# Allegro board DPU_PoE_A1_Sep27.brd (continued)
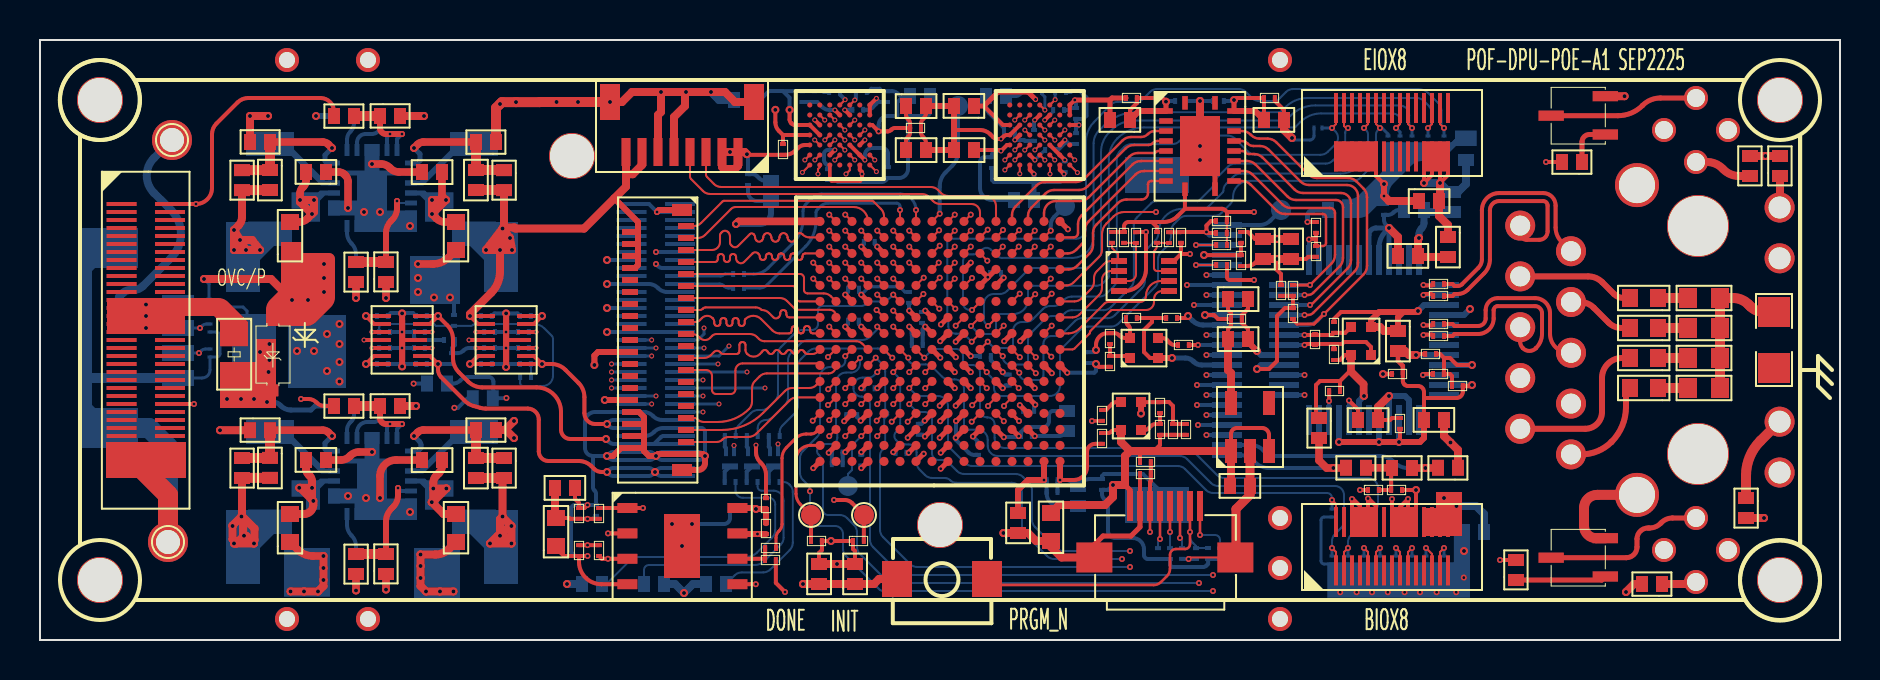
[diagram p0: board, top side]
## Routing (per net, layer and track width the routed paths; a pad name or vN(x,y) marks a point on that pad's centre or on a via; arc(x,y) is an arc through that point) (continued)
  BOTTOM w0.102: v1(54.1,4.05) 50.71,4.05 arc(50.52,4.09) 50.35,4.2 49.25,5.3 arc(49.14,5.47) 49.1,5.66 49.1,7.35 arc(48.95,7.71) 48.59,7.86 45.8,7.86 arc(45.65,7.89) 45.53,7.97 45.51,7.99 arc(45.39,8.07) 45.24,8.1 44.61,8.1 arc(44.42,8.14) 44.25,8.25 43.98,8.52 arc(43.87,8.69) 43.83,8.88 43.83,9.39 arc(43.71,9.66) 43.44,9.78 43.23,9.78 arc(43.04,9.82) 42.87,9.93 42.8,10 arc(42.72,10.2) 42.8,10.4 42.86,10.46 arc(42.97,10.63) 43.01,10.82 43.01,12.84 arc(42.97,13.03) 42.86,13.19 v1(42.66,13.39)
  BOTTOM w0.15: D15.2 v1(69.3,4.6)
BIO-4: length 51.1
  TOP w0.102: J4.17 68,4.4 v1(67.8,4.6) ; v1(41.86,13.39) U7.G12
  SIG-6 w0.102: v1(58.65,3.25) 58.84,3.25 arc(58.99,3.28) 59.12,3.37 59.65,3.9 arc(59.76,4.07) 59.8,4.26 59.8,7.84 arc(59.84,8.03) 59.95,8.2 60.25,8.5 arc(60.42,8.61) 60.61,8.65 63.24,8.65 arc(63.43,8.69) 63.6,8.8 63.75,8.95 arc(63.92,9.06) 64.11,9.1 65.7,9.1 arc(65.88,9.06) 66.04,8.96 66.06,8.94 arc(66.22,8.84) 66.4,8.8 68.09,8.8 arc(68.28,8.84) 68.45,8.95 68.77,9.27 arc(69.12,9.41) 69.48,9.27 69.77,8.98 arc(69.91,8.62) 69.77,8.27 69.45,7.95 arc(69.34,7.78) 69.3,7.59 69.3,7.01 arc(69.26,6.82) 69.15,6.65 67.95,5.45 arc(67.84,5.28) 67.8,5.09 v1(67.8,4.6)
  BOTTOM w0.102: v1(58.65,3.25) 43.26,3.25 arc(43.07,3.29) 42.9,3.4 41.65,4.65 arc(41.54,4.82) 41.5,5.01 41.5,11.77 arc(41.38,12.05) 41.1,12.17 41.08,12.17 arc(40.79,12.29) 40.67,12.57 40.67,12.67 arc(40.8,12.99) 41.12,13.12 41.4,13.12 arc(41.57,13.15) 41.72,13.25 v1(41.86,13.39)
  BOTTOM w0.15: D13.2 v1(67.8,4.6)
BIO-5: length 50.6
  TOP w0.102: v1(68.6,4.6) 68.4,4.4 J4.19 ; U7.G13 v1(41.78,14.12)
  SIG-6 w0.102: v1(68.6,4.6) 68.6,5.29 arc(68.64,5.48) 68.75,5.65 69.55,6.45 arc(69.66,6.62) 69.7,6.81 69.7,7.44 arc(69.74,7.63) 69.85,7.8 70.15,8.1 arc(70.26,8.27) 70.3,8.46 70.3,8.79 arc(70.26,8.98) 70.15,9.15 69.8,9.5 arc(69.56,9.66) 69.27,9.72 68.93,9.72 arc(68.64,9.66) 68.4,9.5 68.2,9.3 arc(68.03,9.19) 67.84,9.15 66.5,9.15 arc(66.32,9.19) 66.16,9.29 66.14,9.31 arc(65.98,9.41) 65.8,9.45 65.14,9.45 65.14,9.45 64.76,9.45 64.76,9.45 60.81,9.45 arc(60.62,9.41) 60.45,9.3 59.55,8.4 arc(59.44,8.23) 59.4,8.04 59.4,4.71 arc(59.36,4.52) 59.25,4.35 58.99,4.09 arc(58.93,4.04) 58.87,4 58.41,3.76 arc(58.35,3.72) 58.29,3.67 58.02,3.4 arc(57.85,3.29) 57.66,3.25 55.11,3.25 arc(54.92,3.29) 54.75,3.4 v1(54.5,3.65)
  BOTTOM w0.102: v1(41.78,14.12) 42.11,13.79 arc(42.22,13.62) 42.26,13.43 42.26,11.53 42.27,11.53 42.41,11.39 42.41,11.25 42.21,11.05 42.21,10.47 42.26,10.42 42.26,9.82 arc(42.23,9.66) 42.14,9.53 42.12,9.51 arc(42.03,9.38) 42,9.22 42,5.51 arc(42.04,5.32) 42.15,5.15 43.5,3.8 arc(43.67,3.69) 43.86,3.65 53.93,3.65 v1(54.5,3.65)
  BOTTOM w0.15: D14.2 v1(68.6,4.6)
BIO-6: length 49.2
  TOP w0.102: v1(41,14.1) 40.63,13.73 U7.G14 ; v1(67,4.6) 66.8,4.4 J4.11
  SIG-6 w0.102: v1(57.95,2.85) 59.29,2.85 arc(59.35,2.86) 59.39,2.89 60.16,3.66 arc(60.19,3.7) 60.2,3.76 60.2,7.54 arc(60.24,7.73) 60.35,7.9 60.55,8.1 arc(60.72,8.21) 60.91,8.25 63.15,8.25 arc(63.24,8.23) 63.32,8.18 63.33,8.17 arc(63.41,8.12) 63.5,8.1 66.49,8.1 arc(66.85,7.95) 67,7.59 v1(67,4.6)
  BOTTOM w0.102: v1(41,14.1) 41,13.82 arc(40.87,13.5) 40.55,13.37 40.31,13.37 arc(39.95,13.22) 39.8,12.86 39.8,10.5 39.86,10.44 39.86,10.11 arc(39.77,9.89) 39.55,9.8 39.31,9.8 arc(39.12,9.76) 38.95,9.65 38.92,9.62 arc(38.85,9.45) 38.92,9.28 38.95,9.25 arc(39.1,9.03) 39.15,8.77 39.15,6.5 arc(39.22,6.32) 39.4,6.25 39.99,6.25 arc(40.18,6.21) 40.35,6.1 40.7,5.75 arc(40.81,5.58) 40.85,5.39 40.85,4.66 arc(40.89,4.47) 41,4.3 42.3,3 arc(42.47,2.89) 42.66,2.85 v1(57.95,2.85)
  BOTTOM w0.15: D12.2 v1(67,4.6)
BIO-7: length 78.5
  TOP w0.102: v1(40.26,14.19) U7.H14 ; v1(66.2,4.6) 66.4,4.4 J4.9
  SIG-6 w0.102: v1(66.2,4.6) 66.2,5.29 arc(66.16,5.48) 66.05,5.65 65.2,6.5 arc(65.09,6.67) 65.05,6.86 65.05,7.24 arc(64.9,7.6) 64.54,7.75 61.01,7.75 arc(60.82,7.71) 60.65,7.6 60.64,7.59 arc(60.61,7.55) 60.6,7.49 60.6,3.56 arc(60.56,3.37) 60.45,3.2 59.85,2.6 arc(59.68,2.49) 59.49,2.45 v1(58.65,2.45)
  SIG-6 w0.16: v1(23.32,12.1) 23.33,12.09 24.17,12.09 arc(24.4,11.99) 24.5,11.76 24.5,4.65 arc(24.61,4.4) 24.86,4.29 25.66,4.29 arc(25.96,4.23) 26.22,4.06 27.09,3.19 arc(27.35,3.02) 27.65,2.96 33.4,2.96 arc(33.7,3.02) 33.96,3.19 35,4.23 arc(35.26,4.4) 35.56,4.46 37.25,4.46 arc(37.55,4.52) 37.81,4.69 38.27,5.15 arc(38.44,5.41) 38.5,5.71 v1(38.5,7.44)
  BOTTOM w0.102: v1(58.65,2.45) 42.16,2.45 arc(42.06,2.47) 41.97,2.53 40.3,4.2 arc(40.19,4.37) 40.15,4.56 40.15,5.3 arc(40.03,5.58) 39.75,5.7 38.85,5.7 arc(38.6,5.8) 38.5,6.05 v1(38.5,7.44) arc(38.46,7.63) 38.35,7.8 38.15,8 arc(38.04,8.17) 38,8.36 38,9.09 arc(38.04,9.28) 38.15,9.45 38.85,10.15 arc(38.96,10.32) 39,10.51 39,13.14 arc(39.15,13.5) 39.51,13.65 39.95,13.65 arc(40.17,13.74) 40.26,13.96 v1(40.26,14.19)
  BOTTOM w0.15: D11.2 v1(66.2,4.6)
  BOTTOM w0.2: v1(23.32,12.1) 23.31,12.09 R92.2 22.67,12.12 22.67,12.91 arc(22.6,13.08) 22.43,13.15 21.4,13.15 arc(21.21,13.11) 21.04,13 21.01,12.97 arc(20.84,12.86) 20.65,12.82 R91.2
BIO-8: length 33.5
  TOP w0.102: v1(65.4,4.6) 65.2,4.4 J4.3 ; U7.H10 v1(44.22,14.12)
  BOTTOM w0.102: v1(44.22,14.12) 44.5,14.4 arc(44.67,14.51) 44.86,14.55 45.81,14.55 arc(46.05,14.45) 46.15,14.21 46.15,13.91 arc(46.16,13.85) 46.19,13.81 46.21,13.79 arc(46.25,13.76) 46.31,13.75 46.64,13.75 arc(46.89,13.64) 47,13.39 47,11.49 arc(47.1,11.24) 47.36,11.13 47.38,11.13 arc(47.63,11.03) 47.73,10.78 47.73,10.11 arc(47.88,9.75) 48.24,9.6 57.29,9.6 arc(57.48,9.56) 57.65,9.45 58.85,8.25 arc(59.02,8.14) 59.21,8.1 66.4,8.1 arc(66.75,7.95) 66.9,7.6 66.9,6.81 arc(66.86,6.62) 66.75,6.45 65.55,5.25 arc(65.44,5.08) 65.4,4.89 v1(65.4,4.6)
  BOTTOM w0.15: D8.2 v1(65.4,4.6)
BIO-9: length 31.2
  TOP w0.102: v1(64.6,4.6) 64.8,4.4 J4.1 ; v1(43.41,14.12) U7.H11
  BOTTOM w0.102: v1(43.41,14.12) 43.41,14.04 arc(43.43,13.98) 43.46,13.94 43.52,13.87 arc(43.62,13.8) 43.74,13.78 44.28,13.78 arc(44.47,13.74) 44.64,13.63 45.09,13.18 arc(45.26,13.07) 45.45,13.03 45.73,13.03 arc(46.06,12.89) 46.2,12.56 46.2,10.72 arc(46.26,10.58) 46.41,10.52 46.88,10.52 arc(47.24,10.37) 47.39,10.01 47.39,9.71 arc(47.54,9.35) 47.9,9.2 56.99,9.2 arc(57.18,9.16) 57.35,9.05 58.55,7.85 arc(58.72,7.74) 58.91,7.7 64.75,7.7 arc(65.07,7.57) 65.2,7.25 65.2,5.96 arc(65.16,5.77) 65.05,5.6 64.75,5.3 arc(64.64,5.13) 64.6,4.94 v1(64.6,4.6)
  BOTTOM w0.15: D9.2 v1(64.6,4.6)
C13: length 3.2
  TOP w0.102: v1(41.06,10.19) U7.C13
  BOTTOM w0.102: TP8.1 40.4,8.3 40.6,8.5 40.6,9.73 v1(41.06,10.19)
DONE: length 5.9
  TOP w0.15: U7.B16 38.53,9.73 arc(38.01,9.52) 37.8,9 37.8,7.31 arc(37.86,7.02) 38.02,6.78 TP4.1
  TOP w0.2: R53.1 TP4.1
DVP_D0: length 17.7
  TOP w0.102: U7.E4 48.2,11.73 v1(48.2,11.7)
  SIG-6 w0.102: v1(48.2,11.7) 47.9,11.4 arc(47.79,11.23) 47.75,11.04 47.75,9.5 arc(47.78,9.43) 47.85,9.4 50.43,9.4 arc(50.6,9.37) 50.75,9.27 arc(50.89,9.21) 51.04,9.27 51.17,9.4 arc(51.3,9.45) 51.43,9.4 51.49,9.34 arc(51.71,9.25) 51.92,9.34 51.99,9.4 arc(52.11,9.45) 52.24,9.4 52.31,9.33 arc(52.52,9.24) 52.73,9.33 52.8,9.4 arc(52.93,9.45) 53.05,9.4 53.11,9.34 arc(53.33,9.25) 53.55,9.34 53.61,9.4 arc(53.74,9.45) 53.87,9.4 54.02,9.25 arc(54.15,9.2) 54.27,9.25 54.42,9.4 arc(54.55,9.45) 54.68,9.4 54.83,9.25 arc(54.96,9.2) 55.09,9.25 55.1,9.27 arc(55.25,9.37) 55.42,9.4 56.3,9.4 arc(56.58,9.52) 56.7,9.8 56.7,10.55 arc(56.66,10.74) 56.56,10.9 arc(56.49,11.05) 56.56,11.21 56.61,11.27 arc(56.68,11.37) 56.7,11.49 56.7,11.65 arc(56.73,11.72) 56.8,11.75 v1(57.85,11.75)
  BOTTOM w0.2: J6.19 v1(57.85,11.75)
DVP_D1: length 17.7
  TOP w0.102: v1(46.61,11.74) U7.E6
  SIG-6 w0.102: v1(57.9,10.75) 57.74,10.59 arc(57.64,10.43) 57.6,10.25 57.6,9.66 arc(57.56,9.47) 57.45,9.3 56.95,8.8 arc(56.78,8.69) 56.59,8.65 47.13,8.65 arc(46.82,8.77) 46.7,9.08 46.7,9.35 arc(46.74,9.53) 46.84,9.69 46.86,9.71 arc(46.96,9.87) 47,10.05 47,11.14 arc(46.96,11.33) 46.85,11.5 v1(46.61,11.74)
  BOTTOM w0.2: J6.21 v1(57.9,10.75)
DVP_D2: length 17.5
  TOP w0.102: v1(46.59,10.91) U7.D6
  SIG-6 w0.102: v1(58.32,10.25) 58.18,10.11 arc(58.08,9.96) 58.05,9.79 58.05,9.31 arc(58.01,9.12) 57.9,8.95 57.45,8.5 arc(57.28,8.39) 57.09,8.35 46.7,8.35 arc(46.35,8.5) 46.2,8.85 46.2,10.32 arc(46.24,10.51) 46.35,10.68 v1(46.59,10.91)
  BOTTOM w0.2: J6.22 v1(58.32,10.25)
DVP_D3: length 17.6
  TOP w0.102: U7.E5 47.4,11.73 v1(47.4,11.7)
  SIG-6 w0.102: v1(47.4,11.7) 47.4,9.91 arc(47.36,9.72) 47.25,9.55 47.15,9.45 arc(47.09,9.3) 47.15,9.15 47.17,9.13 arc(47.26,9.07) 47.36,9.05 47.39,9.05 arc(47.49,9.03) 47.58,8.97 arc(47.75,8.9) 47.92,8.97 47.96,9.01 arc(48.18,9.1) 48.4,9.01 48.45,8.95 arc(48.58,8.9) 48.72,8.95 48.77,9.01 arc(48.99,9.1) 49.21,9.01 49.27,8.95 arc(49.4,8.9) 49.52,8.95 49.61,9.04 arc(49.8,9.12) 49.99,9.04 50.08,8.95 56.24,8.95 arc(56.43,8.99) 56.6,9.1 57,9.5 arc(57.11,9.67) 57.15,9.86 57.15,11 arc(57.22,11.18) 57.4,11.25 v1(58.32,11.25)
  BOTTOM w0.2: J6.20 v1(58.32,11.25)
DVP_D4: length 17.4
  TOP w0.102: v1(48.19,10.94) U7.D5
  SIG-6 w0.102: v1(58.32,12.25) 57.86,12.25 57.71,12.4 57.09,12.4 56.94,12.25 56.44,12.25 arc(56.2,12.15) 56.1,11.91 56.1,11.79 arc(56.09,11.75) 56.07,11.72 55.95,11.6 arc(55.91,11.5) 55.95,11.4 56.06,11.29 arc(56.15,11.07) 56.06,10.86 55.8,10.6 arc(55.77,10.53) 55.8,10.46 56.1,10.16 arc(55.98,9.87) 55.69,9.75 53.39,9.75 arc(53.18,9.83) 53.1,10.04 53.1,10.06 arc(53.02,10.27) 52.81,10.35 52.75,10.35 arc(52.57,10.28) 52.5,10.1 52.5,9.91 arc(52.49,9.85) 52.46,9.81 52.44,9.79 arc(52.4,9.76) 52.34,9.75 52.14,9.75 arc(51.97,9.82) 51.9,9.99 51.9,10.04 arc(51.82,10.22) 51.64,10.3 51.56,10.3 arc(51.38,10.22) 51.3,10.04 51.3,9.96 arc(51.24,9.81) 51.09,9.75 51.06,9.75 arc(50.91,9.81) 50.85,9.96 50.85,10.04 arc(50.77,10.22) 50.59,10.3 50.54,10.3 arc(50.33,10.22) 50.25,10.01 50.25,9.99 arc(50.17,9.78) 49.96,9.7 48.98,9.7 arc(48.68,9.83) 48.55,10.13 48.55,10.37 arc(48.51,10.56) 48.4,10.73 v1(48.19,10.94)
  BOTTOM w0.2: J6.18 v1(58.32,12.25)
DVP_D5: length 17.7
  TOP w0.102: U7.F6 v1(47.34,12.59)
  SIG-6 w0.102: v1(47.34,12.59) 47.35,12.58 47.35,12.25 arc(47.32,12.18) 47.25,12.15 46.2,12.15 arc(46.13,12.18) 46.1,12.25 46.1,13.63 arc(46.15,13.75) 46.27,13.8 46.65,13.8 arc(46.83,13.73) 46.9,13.55 46.9,13.1 arc(46.94,12.99) 47.05,12.95 52.17,12.95 arc(52.23,12.96) 52.27,12.99 arc(52.34,13.04) 52.41,13.05 56.97,13.05 arc(57.09,13.07) 57.19,13.14 57.21,13.16 arc(57.31,13.23) 57.43,13.25 v1(58.32,13.25)
  BOTTOM w0.2: J6.16 v1(58.32,13.25)
DVP_D6: length 17.7
  TOP w0.102: v1(49.79,13.34) U7.G3
  SIG-6 w0.102: v1(49.79,13.34) 50.05,13.6 arc(50.22,13.71) 50.41,13.75 51.84,13.75 arc(52.03,13.71) 52.2,13.6 52.3,13.5 arc(52.47,13.39) 52.66,13.35 56.54,13.35 arc(56.73,13.39) 56.9,13.5 57,13.6 arc(57.17,13.71) 57.36,13.75 58.84,13.75 arc(58.9,13.74) 58.94,13.71 58.96,13.69 arc(58.99,13.65) 59,13.59 59,12.05 arc(59.03,11.98) 59.1,11.95 59.85,11.95 arc(59.92,11.98) 59.95,12.05 59.95,14.15 arc(59.92,14.22) 59.85,14.25 v1(58.32,14.25)
  BOTTOM w0.2: J6.14 v1(58.32,14.25)
DVP_D7: length 17.4
  TOP w0.102: v1(50.56,14.16) U7.H2
  SIG-6 w0.102: v1(58.32,15.25) 57.81,15.25 arc(57.62,15.29) 57.45,15.4 57.3,15.55 arc(57.11,15.68) 56.88,15.72 56.64,15.72 arc(56.55,15.76) 56.51,15.85 arc(56.5,15.9) 56.47,15.94 56.45,15.96 arc(56.41,15.99) 56.36,16 56.34,16 arc(56.29,15.99) 56.25,15.96 56.24,15.95 arc(56.21,15.91) 56.2,15.86 56.2,15.84 arc(56.19,15.79) 56.16,15.75 arc(56.13,15.73) 56.09,15.72 55.86,15.72 arc(55.76,15.74) 55.67,15.8 55.57,15.9 arc(55.39,15.98) 55.2,15.9 55.05,15.75 arc(55.02,15.73) 54.98,15.72 54.8,15.72 arc(54.72,15.76) 54.68,15.85 arc(54.67,15.9) 54.64,15.95 arc(54.61,15.97) 54.57,15.98 54.48,15.98 arc(54.44,15.97) 54.41,15.95 arc(54.38,15.91) 54.37,15.86 54.37,15.84 arc(54.36,15.79) 54.34,15.75 arc(54.3,15.73) 54.26,15.72 54.17,15.72 arc(54.1,15.75) 54.07,15.83 54.07,15.85 arc(54.06,15.9) 54.03,15.95 54.01,15.96 arc(53.97,15.99) 53.92,16 53.9,16 arc(53.85,15.99) 53.81,15.96 53.8,15.95 arc(53.77,15.91) 53.76,15.86 53.76,15.84 arc(53.75,15.79) 53.73,15.75 53.71,15.74 arc(53.67,15.71) 53.62,15.7 53.2,15.7 arc(53.15,15.69) 53.11,15.66 53.1,15.65 arc(53.07,15.61) 53.06,15.56 53.06,15.34 arc(53.05,15.29) 53.02,15.25 52.99,15.22 arc(52.89,15.17) 52.79,15.22 arc(52.72,15.31) 52.7,15.42 52.7,15.51 arc(52.64,15.64) 52.51,15.7 51.99,15.7 arc(51.91,15.68) 51.84,15.64 51.83,15.63 arc(51.78,15.51) 51.83,15.4 51.83,15.4 arc(51.94,15.33) 52.07,15.3 52.1,15.3 arc(52.21,15.26) 52.25,15.15 52.25,14.29 arc(52.19,14.16) 52.06,14.1 52.04,14.1 arc(51.91,14.16) 51.85,14.29 51.85,14.59 arc(51.71,14.91) 51.39,15.05 49.76,15.05 arc(49.66,15.03) 49.58,14.98 49.56,14.96 arc(49.53,14.89) 49.56,14.81 49.59,14.79 arc(49.68,14.72) 49.8,14.7 50.64,14.7 arc(50.82,14.62) 50.9,14.44 50.9,14.32 arc(50.85,14.21) 50.74,14.16 v1(50.56,14.16)
  BOTTOM w0.2: v1(58.32,15.25) J6.12
DVP_HSYNC: length 17.7
  TOP w0.102: v1(49.79,14.14) U7.H3
  SIG-6 w0.102: v1(49.79,14.14) 49.84,14.09 49.84,13.95 arc(49.8,13.84) 49.69,13.8 49.58,13.8 arc(49.42,13.87) 49.35,14.03 49.35,14.16 arc(49.25,14.4) 49.01,14.5 48.96,14.5 arc(48.71,14.61) 48.6,14.86 48.6,14.94 arc(48.72,15.23) 49.01,15.35 49.39,15.35 arc(49.58,15.39) 49.75,15.5 49.77,15.52 arc(49.83,15.68) 49.77,15.83 49.63,15.97 arc(49.58,16.1) 49.63,16.23 49.65,16.25 arc(49.79,16.34) 49.96,16.38 50,16.38 arc(50.14,16.32) 50.2,16.18 50.2,15.71 arc(50.31,15.46) 50.56,15.35 50.61,15.35 arc(50.85,15.45) 50.95,15.69 50.95,15.71 arc(51.05,15.95) 51.29,16.05 52.92,16.05 arc(53.01,16.09) 53.05,16.18 53.05,16.57 arc(53.08,16.64) 53.15,16.67 53.38,16.67 53.45,16.6 53.45,16.41 arc(53.46,16.35) 53.49,16.31 53.51,16.29 arc(53.55,16.26) 53.61,16.25 53.64,16.25 arc(53.7,16.26) 53.75,16.3 53.79,16.34 arc(53.83,16.41) 53.85,16.49 53.85,16.6 arc(53.88,16.67) 53.95,16.7 54.06,16.7 arc(54.24,16.67) 54.38,16.57 54.52,16.43 arc(54.77,16.32) 55.03,16.43 55.14,16.54 arc(55.38,16.64) 55.61,16.54 55.7,16.45 arc(55.85,16.39) 56,16.45 56.07,16.52 arc(56.27,16.6) 56.48,16.52 56.49,16.51 arc(56.7,16.42) 56.91,16.51 57,16.6 arc(57.17,16.71) 57.36,16.75 v1(57.7,16.75)
  BOTTOM w0.2: J6.9 v1(57.7,16.75)
DVP_MCLK: length 1.9
  TOP w0.2: R30.2 v1(57.9,14.75)
  BOTTOM w0.2: v1(57.9,14.75) J6.13
DVP_PCLK: length 17.4
  TOP w0.102: v1(48.94,12.59) U7.F4
  SIG-6 w0.102: v1(57.85,12.75) 53.2,12.75 arc(53.13,12.72) 53.1,12.65 53.1,12.1 arc(53.07,12.03) 53,12 52.8,12 arc(52.69,12.04) 52.65,12.15 52.65,12.55 arc(52.62,12.62) 52.55,12.65 52.25,12.65 arc(52.14,12.61) 52.1,12.5 52.1,11.75 52.02,11.65 51.78,11.65 51.68,11.77 51.68,12.46 arc(51.67,12.51) 51.64,12.55 51.63,12.56 arc(51.59,12.59) 51.54,12.6 51.52,12.6 arc(51.47,12.59) 51.43,12.56 51.41,12.55 arc(51.38,12.51) 51.37,12.46 51.37,11.84 arc(51.36,11.79) 51.34,11.75 51.32,11.74 arc(51.28,11.71) 51.23,11.7 51.21,11.7 arc(51.16,11.71) 51.12,11.74 51.11,11.75 arc(51.08,11.79) 51.07,11.84 51.07,12.46 arc(51.06,12.51) 51.03,12.55 51.02,12.56 arc(50.98,12.59) 50.93,12.6 50.91,12.6 arc(50.86,12.59) 50.82,12.56 50.8,12.55 arc(50.77,12.51) 50.76,12.46 50.76,11.84 arc(50.75,11.79) 50.73,11.75 50.71,11.74 arc(50.67,11.71) 50.62,11.7 50.6,11.7 arc(50.55,11.71) 50.51,11.74 50.5,11.75 arc(50.47,11.79) 50.46,11.84 50.46,12.46 arc(50.45,12.51) 50.42,12.55 50.41,12.56 arc(50.37,12.59) 50.32,12.6 50.3,12.6 arc(50.25,12.59) 50.21,12.56 50.19,12.55 arc(50.16,12.51) 50.16,12.46 50.16,12.29 arc(50.15,12.24) 50.12,12.2 50.1,12.19 arc(50.06,12.16) 50.01,12.15 49.61,12.15 arc(49.42,12.19) 49.25,12.3 48.96,12.59 v1(48.94,12.59)
  BOTTOM w0.2: J6.17 v1(57.85,12.75)
DVP_PWDN: length 10.2
  TOP w0.102: v1(50.59,15.71) U7.J2
  SIG-6 w0.102: v1(50.59,15.71) 50.59,16.23 arc(50.63,16.33) 50.73,16.38 52.11,16.38 arc(52.31,16.41) 52.47,16.52 52.8,16.85 arc(52.97,16.96) 53.16,17 56.58,17 arc(56.74,17.03) 56.87,17.12 56.88,17.13 arc(57.01,17.22) 57.17,17.25 v1(58.32,17.25)
  BOTTOM w0.2: J6.8 v1(58.32,17.25)
DVP_RST: length 13.1
  TOP w0.102: U7.J5 v1(48.19,15.71)
  SIG-6 w0.102: v1(58.32,18.25) 57.36,18.25 arc(57.17,18.29) 57,18.4 56.95,18.45 arc(56.78,18.56) 56.59,18.6 54.21,18.6 arc(54.02,18.56) 53.85,18.45 53.15,17.75 arc(52.98,17.64) 52.79,17.6 52.61,17.6 arc(52.42,17.56) 52.25,17.45 51.9,17.1 arc(51.73,16.99) 51.54,16.95 49.21,16.95 arc(49.02,16.91) 48.85,16.8 48.33,16.28 arc(48.22,16.12) 48.19,15.94 v1(48.19,15.71)
  BOTTOM w0.2: J6.6 v1(58.32,18.25)
DVP_SCL: length 11.8
  TOP w0.102: R17.2 v1(57.8,18.75) ; v1(49.76,17.29) U7.L3
  SIG-6 w0.102: v1(57.8,18.75) 57.61,18.75 arc(57.46,18.78) 57.33,18.87 57.3,18.9 arc(57.16,19) 56.98,19.03 53.86,19.03 arc(53.67,18.99) 53.5,18.88 52.85,18.23 arc(52.78,18.18) 52.69,18.16 52.67,18.16 arc(52.58,18.15) 52.51,18.1 52.26,17.85 arc(52.09,17.74) 51.9,17.7 50.38,17.7 arc(50.19,17.66) 50.02,17.55 v1(49.76,17.29)
  BOTTOM w0.2: J6.5 v1(57.8,18.75)
DVP_SDA: length 10.9
  TOP w0.102: R16.2 v1(57.8,19.75) ; v1(50.54,18.07) U7.M2
  SIG-6 w0.102: v1(57.8,19.75) 57.78,19.73 56.93,19.73 arc(56.75,19.7) 56.61,19.6 56.59,19.58 arc(56.45,19.48) 56.27,19.45 53.47,19.45 arc(53.28,19.41) 53.11,19.3 52.12,18.31 arc(51.95,18.2) 51.76,18.16 50.69,18.16 arc(50.63,18.15) 50.59,18.12 v1(50.54,18.07)
  BOTTOM w0.2: J6.3 v1(57.8,19.75)
DVP_VSYNC: length 17.5
  TOP w0.102: v1(48.99,14.14) U7.H4
  SIG-6 w0.102: v1(48.99,14.14) 48.99,13.9 arc(48.96,13.83) 48.89,13.8 48,13.8 arc(47.82,13.87) 47.75,14.05 47.75,15.1 arc(47.81,15.24) 47.95,15.3 48.16,15.3 arc(48.34,15.33) 48.48,15.43 48.54,15.49 arc(48.69,15.59) 48.88,15.63 48.9,15.63 arc(49.04,15.69) 49.1,15.83 49.1,16.28 arc(49.22,16.58) 49.52,16.7 51.89,16.7 arc(52.08,16.74) 52.25,16.85 52.55,17.15 arc(52.72,17.26) 52.91,17.3 53.19,17.3 arc(53.38,17.34) 53.55,17.45 53.71,17.61 arc(53.86,17.71) 54.04,17.75 54.06,17.75 arc(54.24,17.79) 54.39,17.89 54.45,17.95 arc(54.56,17.99) 54.66,17.95 54.7,17.91 arc(54.74,17.84) 54.76,17.76 54.76,17.74 arc(54.78,17.66) 54.82,17.59 54.86,17.55 arc(54.96,17.51) 55.07,17.55 55.1,17.59 arc(55.15,17.66) 55.17,17.74 55.17,17.76 arc(55.18,17.84) 55.23,17.91 55.27,17.95 arc(55.37,17.99) 55.47,17.95 55.51,17.91 arc(55.56,17.84) 55.57,17.76 55.57,17.74 arc(55.59,17.66) 55.64,17.59 55.67,17.55 arc(55.78,17.51) 55.88,17.55 55.92,17.59 arc(55.96,17.66) 55.98,17.74 55.98,17.76 arc(56,17.84) 56.04,17.91 56.08,17.95 arc(56.18,17.99) 56.29,17.95 56.39,17.84 arc(56.5,17.77) 56.62,17.75 v1(57.35,17.75)
  BOTTOM w0.2: J6.7 v1(57.35,17.75)
E_CSN: length 9.8
  TOP w0.12: U3.4 55.75,25.45 arc(55.57,25.41) 55.41,25.31 55.39,25.29 arc(55.23,25.19) 55.05,25.15 54.55,25.15 arc(54.32,25.1) 54.12,24.97 52.23,23.08 arc(52.03,22.95) 51.8,22.9 50.25,22.9 arc(50.02,22.85) 49.82,22.72 48.78,21.68 arc(48.65,21.48) 48.6,21.25 U7.T4
E_INT: length 7.4
  TOP w0.12: U7.P1 51.38,19.33 arc(51.61,19.38) 51.81,19.51 52.07,19.77 arc(52.2,19.97) 52.25,20.2 52.25,20.5 arc(52.3,20.73) 52.43,20.93 54.77,23.27 arc(54.97,23.4) 55.2,23.45 U3.8
E_MISO: length 7.8
  TOP w0.12: U3.6 55.91,24.45 arc(55.85,24.44) 55.81,24.41 55.79,24.39 arc(55.75,24.36) 55.69,24.35 54.9,24.35 arc(54.67,24.3) 54.47,24.17 52.43,22.13 arc(52.23,22) 52,21.95 50.8,21.95 arc(50.38,21.77) 50.2,21.35 U7.T2
E_MOSI: length 7.3
  TOP w0.12: U7.R1 51.68,20.13 arc(51.84,20.19) 51.9,20.35 51.9,20.8 arc(51.95,21.03) 52.08,21.23 54.62,23.77 arc(54.82,23.9) 55.05,23.95 U3.7
E_RST: length 8
  TOP w0.12: U7.N1 51.43,18.53 arc(51.66,18.58) 51.86,18.71 52.47,19.32 arc(52.6,19.52) 52.65,19.75 52.65,20.35 arc(52.7,20.58) 52.83,20.78 53.9,21.85 arc(54.09,21.98) 54.32,22.02 55.08,22.02 arc(55.3,22.12) 55.4,22.35 55.4,22.79 arc(55.41,22.84) 55.44,22.89 55.46,22.91 arc(55.51,22.94) 55.56,22.95 U3.9
E_SCLK: length 8.7
  TOP w0.12: U7.T3 49.4,21.2 arc(49.45,21.43) 49.58,21.63 50.27,22.32 arc(50.47,22.45) 50.7,22.5 51.95,22.5 arc(52.18,22.55) 52.38,22.68 54.27,24.57 arc(54.47,24.7) 54.7,24.75 55.42,24.75 arc(55.54,24.77) 55.64,24.84 55.66,24.86 arc(55.76,24.93) 55.88,24.95 U3.5
EIO-1: length 36.2
  TOP w0.102: U7.L6 47,16.9 v1(46.6,16.5) ; v1(69.4,25.6) 69.6,25.8 J2.26 69.6,26.7
  BOTTOM w0.102: v1(69.4,25.6) 69.49,25.69 arc(69.55,25.78) 69.57,25.88 69.57,26.37 arc(69.53,26.56) 69.42,26.73 69.2,26.95 arc(69.03,27.06) 68.84,27.1 63.38,27.1 arc(62.78,26.98) 62.27,26.64 62.05,26.42 arc(62.02,26.4) 61.98,26.39 54.81,26.39 arc(53.94,26.22) 53.2,25.72 52.94,25.46 arc(52.75,25.17) 52.68,24.84 52.68,20.18 arc(52.37,19.42) 51.61,19.11 48.09,19.11 arc(47.99,19.13) 47.9,19.19 47.88,19.2 arc(47.85,19.23) 47.81,19.25 47.54,19.52 arc(47.33,19.61) 47.11,19.52 47.02,19.43 arc(46.86,19.32) 46.66,19.28 46.5,19.28 arc(46.25,19.18) 46.15,18.93 46.15,16.85 arc(46.25,16.6) 46.5,16.5 v1(46.6,16.5)
  BOTTOM w0.15: D3.2 v1(69.4,25.6)
EIO-2: length 27.2
  TOP w0.102: v1(65.4,25.6) 65.3,25.6 65.2,25.7 J2.4 65.2,26.7 ; v1(48.14,14.19) U7.H5
  BOTTOM w0.102: v1(48.14,14.19) 48.14,14.16 arc(48.25,13.89) 48.53,13.77 49.3,13.77 arc(49.37,13.8) 49.4,13.87 49.4,14.99 arc(49.44,15.18) 49.55,15.35 50.25,16.05 arc(50.42,16.16) 50.61,16.2 50.91,16.2 arc(51.09,16.24) 51.24,16.34 51.25,16.35 arc(51.4,16.45) 51.59,16.49 53.18,16.49 arc(53.37,16.53) 53.54,16.64 54.54,17.64 arc(54.65,17.81) 54.69,18 54.69,20.76 arc(54.73,20.95) 54.84,21.12 55.56,21.84 arc(55.67,21.91) 55.81,21.94 57.88,21.94 arc(57.92,21.95) 57.95,21.97 58.63,22.65 arc(58.65,22.68) 58.66,22.72 arc(58.7,22.91) 58.81,23.08 59.4,23.67 arc(59.57,23.78) 59.76,23.82 64.28,23.82 arc(64.47,23.86) 64.64,23.97 65.11,24.44 arc(65.22,24.61) 65.26,24.8 65.26,25.37 arc(65.28,25.45) 65.32,25.52 v1(65.4,25.6)
EIO-3: length 29.7
  TOP w0.102: v1(64.6,25.6) 64.8,25.8 J2.2 64.8,26.7 ; v1(47.38,14.91) U7.H6
  BOTTOM w0.102: v1(47.38,14.91) 47.55,14.75 arc(47.72,14.64) 47.91,14.6 48.5,14.6 arc(48.61,14.64) 48.65,14.75 48.65,15.45 arc(48.78,15.77) 49.1,15.9 49.29,15.9 arc(49.48,15.94) 49.65,16.05 50.15,16.55 arc(50.32,16.66) 50.51,16.7 50.69,16.7 arc(50.88,16.74) 51.05,16.85 51.22,17.02 arc(51.39,17.13) 51.58,17.17 52.97,17.17 arc(53.16,17.21) 53.33,17.32 53.69,17.68 arc(53.8,17.85) 53.84,18.04 53.84,24.07 arc(53.88,24.26) 53.99,24.43 54.21,24.65 arc(54.37,24.76) 54.57,24.8 56.61,24.8 arc(56.81,24.83) 56.97,24.94 57.1,25.07 arc(57.27,25.18) 57.46,25.22 59.39,25.22 arc(59.58,25.18) 59.75,25.07 60.41,24.41 arc(60.58,24.3) 60.77,24.26 64.03,24.26 arc(64.22,24.3) 64.39,24.41 64.77,24.79 arc(64.9,25.11) 64.77,25.43 v1(64.6,25.6)
  BOTTOM w0.15: D1.2 v1(64.6,25.6)
EIO-4: length 31.5
  TOP w0.102: v1(47.34,13.39) U7.G6 ; 66.8,26.7 J2.12 66.8,25.8 v1(67,25.6)
  BOTTOM w0.102: v1(67,25.6) 66.89,25.49 arc(66.82,25.39) 66.8,25.27 66.8,24.1 arc(66.76,23.91) 66.65,23.74 66.01,23.1 arc(65.85,22.99) 65.65,22.95 60.46,22.95 arc(59.89,22.72) 59.65,22.14 arc(59.61,21.95) 59.5,21.78 59.07,21.35 arc(58.91,21.24) 58.72,21.21 57.32,21.21 arc(57.12,21.17) 56.96,21.06 56.71,20.81 arc(56.6,20.64) 56.56,20.45 56.56,20.27 arc(56.49,19.93) 56.3,19.64 56.05,19.39 arc(55.94,19.22) 55.9,19.03 55.9,18.01 arc(55.86,17.82) 55.75,17.65 53.93,15.83 arc(53.75,15.71) 53.55,15.67 52.39,15.67 arc(52.2,15.63) 52.03,15.52 51.15,14.64 arc(51.04,14.47) 51,14.28 51,12.71 arc(50.85,12.35) 50.49,12.2 48.09,12.2 arc(47.81,12.31) 47.7,12.59 47.7,12.79 arc(47.66,12.98) 47.55,13.15 47.34,13.36 v1(47.34,13.39)
  BOTTOM w0.15: v1(67,25.6) 67.1,25.6 67.4,25.3 D6.2
EIO-5: length 40.5
  TOP w0.102: v1(46.59,14.91) U7.J6 ; 70,26.7 J2.28 70,25.8 v1(70.2,25.6)
  BOTTOM w0.102: v1(70.2,25.6) 70.13,25.67 arc(70.09,25.74) 70.07,25.81 70.07,26.48 arc(70.03,26.67) 69.92,26.84 69.42,27.34 arc(69.19,27.5) 68.91,27.55 62.66,27.55 arc(62.47,27.51) 62.3,27.4 62,27.1 arc(61.83,26.99) 61.64,26.95 60.96,26.95 arc(60.77,26.99) 60.6,27.1 60.3,27.4 arc(60.13,27.51) 59.94,27.55 55.86,27.55 arc(55.67,27.51) 55.5,27.4 55.15,27.05 arc(54.99,26.94) 54.79,26.91 53.88,26.91 arc(53.68,26.86) 53.51,26.75 52.68,25.88 arc(52.4,25.44) 52.3,24.92 52.3,20.57 arc(52.15,20.21) 51.79,20.06 45.53,20.06 arc(45.41,20.01) 45.36,19.89 45.36,16.15 45.41,16.09 45.41,15.69 arc(45.52,15.42) 45.79,15.31 45.97,15.31 arc(46.17,15.28) 46.33,15.17 v1(46.59,14.91)
  BOTTOM w0.15: D2.2 v1(70.2,25.6)
EIO-6: length 27.7
  TOP w0.102: U7.G4 v1(48.97,13.36) ; 66.4,26.7 J2.10 66.4,25.8 v1(66.2,25.6)
  BOTTOM w0.102: v1(66.2,25.6) 66.31,25.49 arc(66.38,25.39) 66.4,25.27 66.4,24.38 arc(66.36,24.19) 66.25,24.02 65.92,23.69 arc(65.51,23.42) 65.03,23.32 60.03,23.32 arc(59.84,23.28) 59.67,23.17 59.32,22.82 arc(59.21,22.65) 59.17,22.46 arc(59.16,22.42) 59.14,22.39 58.45,21.69 arc(58.3,21.59) 58.13,21.56 57.14,21.56 arc(56.28,21.2) 55.92,20.34 arc(55.88,20.15) 55.77,19.98 55.4,19.61 arc(55.29,19.44) 55.25,19.25 55.25,17.96 arc(55.21,17.77) 55.1,17.6 53.74,16.24 arc(53.57,16.13) 53.38,16.09 52.1,16.09 arc(51.91,16.05) 51.74,15.94 51.15,15.35 arc(50.98,15.24) 50.79,15.2 50.57,15.2 arc(50.29,15.08) 50.17,14.8 50.17,13.19 arc(50.12,13.05) 49.98,13 49.3,13 arc(49.06,13.1) 48.97,13.34 v1(48.97,13.36)
EIO-7: length 33.5
  TOP w0.102: 68,26.7 J2.18 68,25.8 v1(67.8,25.6) ; U7.K6 46.98,16.13 v1(46.55,15.7)
  BOTTOM w0.102: v1(46.55,15.7) 46.8,15.45 arc(46.97,15.34) 47.16,15.3 47.6,15.3 arc(47.74,15.36) 47.8,15.5 47.8,16.1 arc(47.86,16.24) 48,16.3 48.67,16.3 arc(49.19,16.51) 49.4,17.03 49.4,17.46 arc(49.47,17.64) 49.65,17.71 52.8,17.71 arc(52.99,17.75) 53.16,17.86 53.41,18.11 arc(53.43,18.14) 53.44,18.18 53.44,24.04 arc(53.55,24.6) 53.87,25.08 arc(54.48,25.49) 55.2,25.63 62.71,25.63 arc(62.75,25.64) 62.78,25.66 63.02,25.9 arc(63.5,26.22) 64.06,26.33 67.6,26.33 arc(67.78,26.29) 67.94,26.19 67.95,26.18 arc(68.04,25.96) 67.95,25.75 v1(67.8,25.6)
  BOTTOM w0.15: D5.2 68,25.4 v1(67.8,25.6)
